# KiCad board RUSP_Mainboard_panelMockup.kicad_pcb (continued)
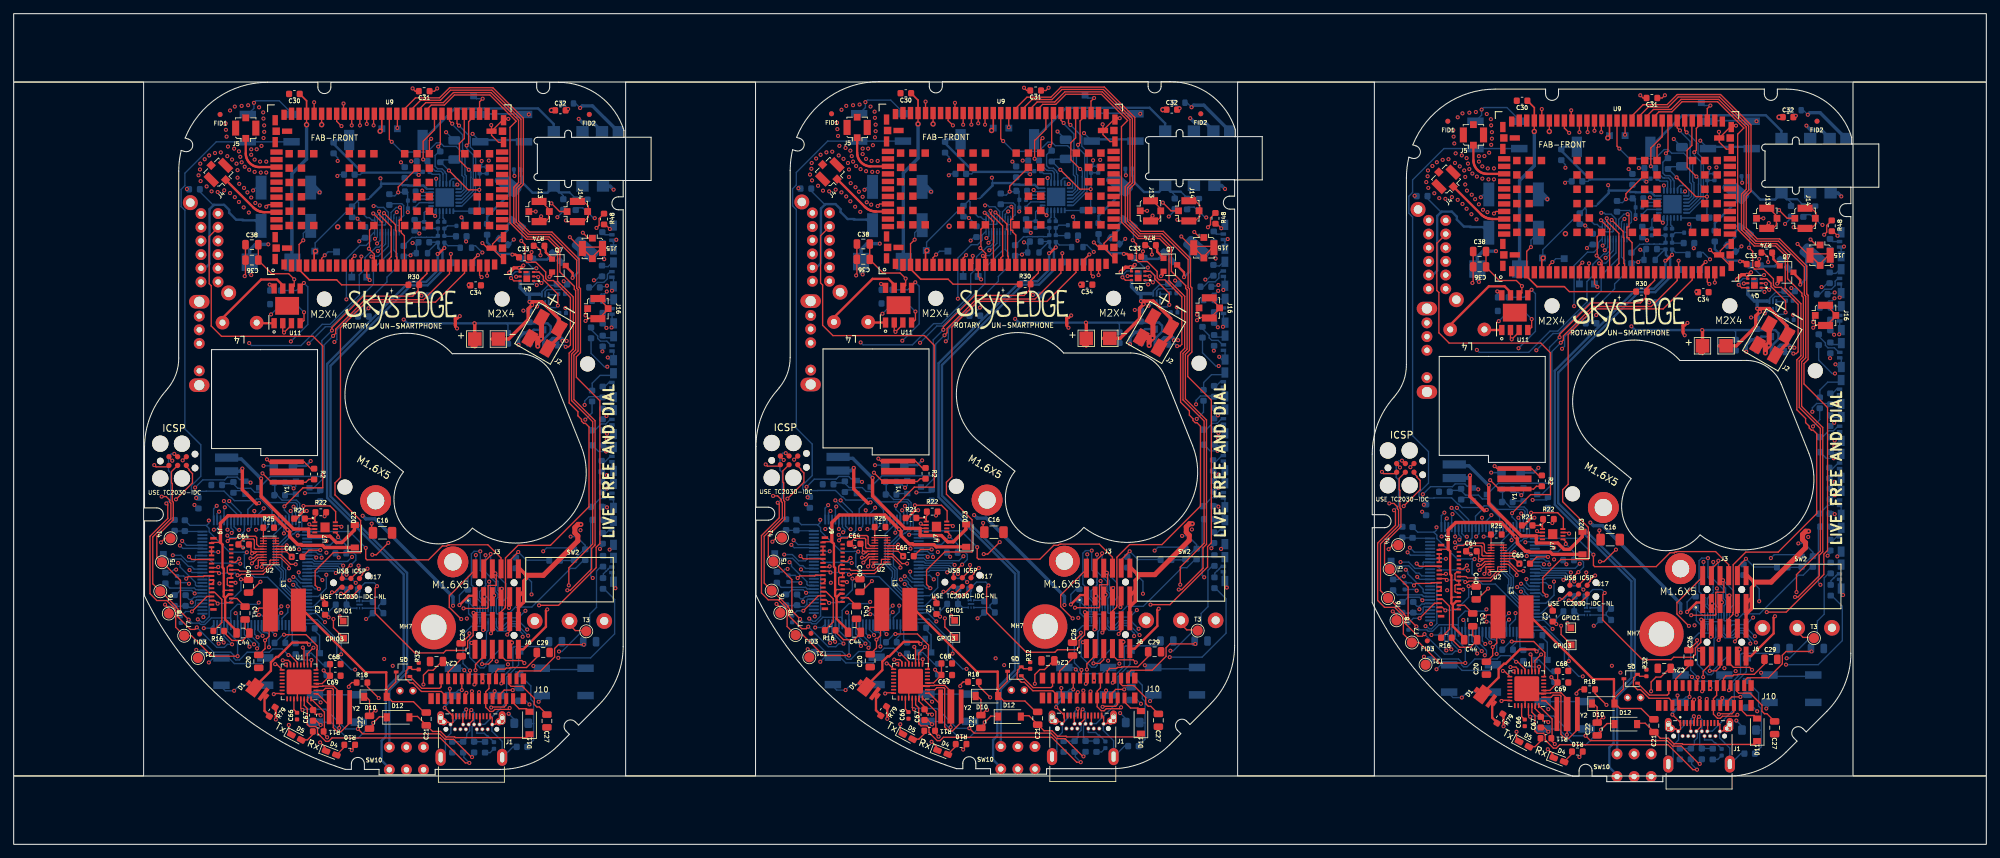
[diagram p0: board, top side]
## Routing (per net, layer and track width the routed paths; a pad name or vN(x,y) marks a point on that pad's centre or on a via; arc(x,y) is an arc through that point) (continued)
  L6_GND.Cu w0.35: v1(81.74,82.86) 82.61,83.73 82.61,87.5 ; v1(171.16,82.96) 172.03,83.83 172.03,87.6 ; 262.16,86.5 262.16,82.73 v1(261.29,81.87)
Net-(D6-Pad2): length 19.8
  L6_GND.Cu w0.35: 162.47,95.75 158.66,91.94 158.66,90.74 ; 252.6,94.66 248.79,90.85 248.79,89.65 ; 69.24,90.64 69.24,91.84 73.05,95.65
Net-(D22-Pad2): length 10.2
  L6_GND.Cu w0.35: R44#2.1 255.65,84.54 257.56,84.54 257.69,84.67 257.71,84.67 258.49,85.45 ; R44#3.1 165.52,85.64 167.44,85.64 167.56,85.76 167.58,85.76 168.36,86.54 ; R44.1 76.1,85.54 78.02,85.54 78.14,85.66 78.16,85.66 78.94,86.44
Net-(D23-Pad2): length 84.1
  L1_GND+GNDA.Cu w0.2: U7#2.3 132.56,46.21 ; U7#3.3 222.69,45.12 ; U7.3 43.14,46.11
  L1_GND+GNDA.Cu w0.5: 139.26,46.71 139.26,46.08 137.43,44.24 136.61,44.24 135.69,45.16 132.56,45.16 132.56,46.21 130.36,46.21 125.61,50.96 v1(125.61,53.61) ; v1(215.74,52.52) 215.74,49.87 220.49,45.12 222.69,45.12 222.69,44.07 225.81,44.07 226.73,43.15 227.56,43.15 229.39,44.98 229.39,45.62 ; v1(36.19,53.51) 36.19,50.86 40.94,46.11 43.14,46.11 43.14,45.06 46.26,45.06 47.18,44.14 48.01,44.14 49.84,45.97 49.84,46.61
  L6_GND.Cu w0.5: v1(125.61,53.61) 125.56,53.61 122.71,56.46 120.76,56.46 ; 31.34,56.36 33.29,56.36 36.14,53.51 v1(36.19,53.51) ; 210.89,55.37 212.84,55.37 215.69,52.52 v1(215.74,52.52)
Net-(D25-Pad1): length 4.8
  L6_GND.Cu w0.2: 175.66,55.9 175.74,55.9 176.7,56.86 176.86,56.86 ; 86.24,55.8 86.31,55.8 87.28,56.76 87.44,56.76 ; 265.79,54.8 265.86,54.8 266.83,55.77 266.99,55.77
Net-(D25-Pad3): length 4.5
  L6_GND.Cu w0.2: 177.11,58.26 177.03,58.35 175.66,58.35 ; 267.24,57.17 267.15,57.25 265.79,57.25 ; 87.69,58.16 87.6,58.25 86.24,58.25
Net-(D26-Pad1): length 4.3
  L6_GND.Cu w0.2: 87.44,89.16 86.49,89.16 86.14,89.51 ; 266.99,88.17 266.04,88.17 265.69,88.52 ; 175.56,89.61 175.91,89.26 176.86,89.26
Net-(D26-Pad3): length 5.9
  L1_GND+GNDA.Cu w0.2: v1(176.61,90.11) 175.95,90.77 R48#2.1 ; v1(87.19,90.01) 86.53,90.67 R48.1 ; R48#3.1 266.08,89.68 v1(266.74,89.02)
  L6_GND.Cu w0.2: 87.74,90.61 87.19,90.06 v1(87.19,90.01) ; v1(176.61,90.11) 176.61,90.16 177.16,90.71 ; 267.29,89.62 266.74,89.07 v1(266.74,89.02)
Net-(D27-Pad1): length 6.7
  L6_GND.Cu w0.2: 176.91,40.76 176.76,40.76 176.34,40.34 176.34,40.31 176.06,40.04 176.04,40.04 175.66,39.66 175.66,39.16 ; 265.79,38.07 265.79,38.57 266.16,38.94 266.19,38.94 266.46,39.22 266.46,39.24 266.89,39.67 267.04,39.67 ; 86.24,39.06 86.24,39.56 86.61,39.94 86.64,39.94 86.92,40.21 86.92,40.24 87.34,40.66 87.49,40.66
Net-(D27-Pad3): length 4.6
  L6_GND.Cu w0.2: 87.69,41.96 87.62,41.9 86.19,41.9 ; 177.11,42.06 177.05,42 175.61,42 ; 267.24,40.97 267.17,40.9 265.74,40.9
Net-(D28-Pad1): length 4.9
  L6_GND.Cu w0.2: 267.09,44.97 266.6,44.97 265.79,44.15 ; 87.54,45.96 87.06,45.96 86.24,45.15 ; 176.96,46.06 176.48,46.06 175.66,45.25
Net-(D28-Pad3): length 4.4
  L6_GND.Cu w0.2: 267.24,46.37 267.17,46.3 265.79,46.3 ; 86.24,47.3 87.62,47.3 87.69,47.36 ; 177.11,47.46 177.05,47.4 175.66,47.4
Net-(D29-Pad1): length 11.5
  L6_GND.Cu w0.2: 87.54,51.41 87.31,51.41 86.5,50.6 85.78,50.6 84.54,49.36 ; 267.09,50.42 266.86,50.42 266.05,49.6 265.32,49.6 264.09,48.37 ; 176.96,51.51 176.74,51.51 175.92,50.7 175.2,50.7 173.96,49.46
Net-(D29-Pad3): length 4.9
  L6_GND.Cu w0.2: 265.79,51.7 267.42,51.7 ; 175.66,52.8 177.3,52.8 ; 86.24,52.7 87.88,52.7
Net-(D30-Pad1): length 13.8
  L6_GND.Cu w0.2: 176.91,83.91 176.71,83.91 176.26,83.46 176.26,82.83 175.72,82.29 174.74,82.29 174.01,81.56 173.66,81.56 ; 263.79,80.47 264.14,80.47 264.86,81.19 265.85,81.19 266.39,81.73 266.39,82.37 266.84,82.82 267.04,82.82 ; 87.49,83.81 87.29,83.81 86.84,83.36 86.84,82.73 86.3,82.19 85.31,82.19 84.59,81.46 84.24,81.46
Net-(D30-Pad3): length 5.5
  L6_GND.Cu w0.2: 175.6,84.6 176.35,84.6 177.11,85.36 ; 267.24,84.27 266.48,83.51 265.73,83.51 ; 86.18,84.5 86.93,84.5 87.69,85.26
Net-(D31-Pad1): length 5.2
  L6_GND.Cu w0.2: 175.56,77.55 175.61,77.55 176.52,78.46 176.91,78.46 ; 87.49,78.36 87.1,78.36 86.19,77.45 86.14,77.45 ; 267.04,77.37 266.65,77.37 265.73,76.45 265.69,76.45
Net-(D31-Pad3): length 5
  L6_GND.Cu w0.2: 175.56,79.75 177,79.75 177.16,79.91 ; 86.14,79.65 87.57,79.65 87.74,79.81 ; 267.29,78.82 267.12,78.65 265.69,78.65
Net-(D32-Pad1): length 12.8
  L6_GND.Cu w0.2: 173.91,75.36 174.84,74.44 174.84,74.09 175.21,73.71 176.16,73.71 176.81,73.06 ; 87.39,72.96 86.74,73.61 85.79,73.61 85.41,73.99 85.41,74.34 84.49,75.26 ; 264.04,74.27 264.96,73.34 264.96,72.99 265.34,72.62 266.29,72.62 266.94,71.97 ; 176.71,73.06 176.93,73.06 ; 87.29,72.96 D32.1 ; 266.84,71.97 267.06,71.97
Net-(D32-Pad3): length 6.4
  L6_GND.Cu w0.2: 265.69,73.1 266.89,73.1 267.24,73.45 ; 87.32,74.1 87.64,74.41 ; 177.11,74.54 176.77,74.2 175.56,74.2 ; 176.75,74.2 177.06,74.51 ; 86.14,74.1 87.34,74.1 87.69,74.44 ; 266.87,73.1 267.19,73.42
Net-(D33-Pad1): length 5.2
  L6_GND.Cu w0.2: 176.91,67.69 176.51,67.69 175.56,66.75 ; 86.14,66.65 87.09,67.59 87.49,67.59 ; 265.69,65.65 266.63,66.6 267.04,66.6
Net-(D33-Pad3): length 13.2
  L6_GND.Cu w0.2: 84.61,66.14 84.61,67.45 85.76,68.6 87.22,68.6 ; 264.16,65.15 264.16,66.46 265.31,67.6 266.77,67.6 ; 176.65,68.7 175.18,68.7 174.03,67.55 174.03,66.24
Net-(D34-Pad1): length 10.1
  L6_GND.Cu w0.2: 84.64,60.66 85.09,60.66 85.91,61.49 86.59,61.49 87.27,62.16 87.39,62.16 ; 266.94,61.17 266.81,61.17 266.14,60.49 265.46,60.49 264.64,59.67 264.19,59.67 ; 174.06,60.76 174.51,60.76 175.34,61.59 176.01,61.59 176.69,62.26 176.81,62.26
Net-(D34-Pad3): length 4.6
  L6_GND.Cu w0.2: 86.14,63.45 87.68,63.45 ; 175.56,63.55 177.1,63.55 ; 265.69,62.45 267.22,62.45
Net-(J1-PadA5): length 6.1
  L1_GND+GNDA.Cu w0.2: v1(155.6,19.83) 155.66,19.77 155.66,18.86 ; v1(245.73,18.74) 245.79,18.68 245.79,17.77 ; 66.24,18.76 66.24,19.67 v1(66.18,19.73)
  L6_GND.Cu w0.2: R5#2.1 245.32,18.33 v1(245.73,18.74) ; R5#3.1 155.2,19.43 v1(155.6,19.83) ; R5.1 65.78,19.33 v1(66.18,19.73)
Net-(J1-PadB5): length 10.9
  L6_GND.Cu w0.2: 247.29,15.86 247.29,15.27 248.35,15.27 248.75,14.87 248.89,14.87 249.79,13.97 ; 70.24,14.96 69.34,15.86 69.21,15.86 68.81,16.26 67.74,16.26 67.74,16.86 ; 159.66,15.06 158.76,15.96 158.63,15.96 158.23,16.36 157.16,16.36 157.16,16.96
Net-(J8-Pad4): length 362
  L5_3v8.Cu w0.5: v1(267.29,94.77) 266.79,94.27 251.56,94.27 247.06,89.77 247.06,86.07 241.21,80.22 238.84,80.22 227.29,68.67 227.29,53.45 225.86,52.02 225.86,48.99 232.7,42.15 232.7,41.01 236.79,36.92 236.79,32.57 236.59,32.37 ; 236.99,9.97 238.19,11.17 238.19,19.77 239.19,20.77 239.19,21.62 237.18,23.63 237.18,27.96 236.63,28.52 236.63,32.43 ; v1(87.74,95.76) 87.24,95.26 72.01,95.26 67.52,90.77 67.52,87.06 61.66,81.21 59.29,81.21 47.74,69.66 47.74,54.44 46.31,53.01 46.31,49.98 53.15,43.14 53.15,42 57.24,37.91 57.24,33.56 57.04,33.36 ; v1(177.16,95.86) 176.66,95.36 161.43,95.36 156.94,90.87 156.94,87.16 151.09,81.31 148.71,81.31 137.16,69.76 137.16,54.54 135.73,53.11 135.73,50.08 142.57,43.24 142.57,42.1 146.66,38.01 146.66,33.66 146.46,33.46 ; 57.44,10.96 58.64,12.16 58.64,20.76 59.64,21.76 59.64,22.62 57.63,24.62 57.63,28.96 57.08,29.51 57.08,33.42 ; 146.5,33.52 146.5,29.61 147.06,29.06 147.06,24.72 149.06,22.72 149.06,21.86 148.06,20.86 148.06,12.26 146.86,11.06
  L6_GND.Cu w0.5: v1(267.29,94.77) 266.79,95.27 J8#3.4 ; v1(87.74,95.76) 87.24,96.26 J8.4 ; v1(177.16,95.86) 176.66,96.36 J8#2.4
Net-(J8-Pad10): length 70.5
  L6_GND.Cu w0.35: 239.19,101.77 244.06,106.64 256.25,106.64 258.53,104.36 258.53,103.16 ; 168.4,104.25 168.4,105.46 166.12,107.74 153.94,107.74 149.06,102.86 ; 59.64,102.76 64.52,107.64 76.7,107.64 78.98,105.36 78.98,104.15
Net-(J8-Pad12): length 340.8
  L5_3v8.Cu w0.5: 237.94,21.47 236.53,22.87 236.53,27.61 235.94,28.21 235.94,36.62 231.89,40.67 231.69,40.67 229.79,42.57 229.79,44.14 225.21,48.72 225.21,52.29 226.59,53.67 226.59,69.05 238.41,80.87 240.94,80.87 246.41,86.34 246.41,90.04 249.94,93.57 249.94,99 255.11,104.17 261.24,104.17 v1(262.19,105.12) ; MK1.2 56.98,23.87 56.98,28.61 56.39,29.2 56.39,37.62 52.35,41.66 52.14,41.66 50.24,43.56 50.24,45.14 45.66,49.71 45.66,53.28 47.04,54.66 47.04,70.04 58.86,81.86 61.4,81.86 66.87,87.33 66.87,91.04 70.39,94.56 70.39,99.99 75.56,105.16 81.69,105.16 v1(82.64,106.11) ; v1(172.06,106.21) 171.11,105.26 164.98,105.26 159.81,100.09 159.81,94.66 156.29,91.14 156.29,87.43 150.82,81.96 148.28,81.96 136.46,70.14 136.46,54.76 135.08,53.38 135.08,49.81 139.66,45.24 139.66,43.67 141.56,41.76 141.77,41.76 145.81,37.72 145.81,29.3 146.41,28.71 146.41,23.97 MK1#3.2
  L6_GND.Cu w0.5: v1(262.19,105.12) 262.84,104.47 264.39,104.47 J8#3.12 ; v1(172.06,106.21) 172.71,105.56 174.26,105.56 J8#2.12 ; J8.12 84.84,105.46 83.29,105.46 v1(82.64,106.11)
Net-(L4-Pad1): length 7.7
  L1_GND+GNDA.Cu w0.35: L4#2.1 35.62,76.22 U11.1 ; L4#3.1 125.04,76.32 U11#3.1 ; L4.1 215.17,75.23 217.63,75.23
Net-(L4-Pad2): length 38.3
  L1_GND+GNDA.Cu w0.35: 39.44,81.21 39.44,81.68 38.51,82.61 36.19,82.61 30.54,76.96 L4#2.2 ; 218.99,80.22 218.99,80.69 218.06,81.62 215.74,81.62 210.09,75.97 L4.2 ; 128.86,81.31 128.86,81.78 127.93,82.71 125.61,82.71 119.96,77.06 L4#3.2
Net-(L7-Pad2): length 41.3
  L2_3v3+GNDA.Cu w0.35: v1(252.79,96.77) 252.19,96.17 241.54,96.17 v1(241.34,96.37) ; v1(162.66,97.86) 162.06,97.26 151.41,97.26 v1(151.21,97.46) ; v1(61.79,97.36) 61.99,97.16 72.64,97.16 v1(73.24,97.76)
  L6_GND.Cu w0.2: U12.7 v1(61.79,97.36) ; U12#3.7 v1(151.21,97.46) ; v1(241.34,96.37) 241.34,96.37 U12#2.7
  L6_GND.Cu w0.35: 162.61,98.76 162.61,97.91 v1(162.66,97.86) ; 252.74,97.67 252.74,96.82 v1(252.79,96.77) ; v1(73.24,97.76) 73.19,97.81 73.19,98.66
Net-(L8-Pad2): length 9.8
  L6_GND.Cu w0.2: U12.8 62.29,97.05 62.34,97.1 62.34,97.91 62.24,98.01 61.22,98.01 60.89,98.34 ; 150.31,98.44 150.64,98.11 151.66,98.11 151.76,98.01 151.76,97.2 151.71,97.15 U12#3.8 ; 240.44,97.34 240.76,97.02 241.79,97.02 241.89,96.92 241.89,96.1 241.84,96.05 U12#2.8
Net-(Q1-Pad1): length 5.3
  L6_GND.Cu w0.2: Q1#2.1 128.91,51.31 ; Q1#3.1 219.04,50.22 ; Q1.1 39.49,51.21
Net-(Q1-Pad3): length 147.6
  L1_GND+GNDA.Cu w0.2: v1(63.94,86.36) 63.94,84.86 ; v1(46.71,74.36) 47.09,74.74 47.09,75.36 51.39,79.66 59.94,79.66 63.74,83.46 63.74,84.76 ; 243.29,83.77 243.29,82.47 239.49,78.67 230.94,78.67 226.64,74.36 226.64,73.74 v1(226.26,73.37) ; 153.16,84.86 153.16,83.56 149.36,79.76 140.82,79.76 136.51,75.46 136.51,74.84 v1(136.14,74.46) ; v1(243.49,85.37) 243.49,83.87 ; v1(153.36,86.46) 153.36,84.96
  L6_GND.Cu w0.2: T15.1 v1(63.94,86.36) ; v1(46.71,74.36) 45.41,73.06 45.41,53.67 43.83,52.09 43.37,52.09 ; T15#2.1 v1(243.49,85.37) ; v1(226.26,73.37) 224.96,72.07 224.96,52.67 223.38,51.09 222.91,51.09 ; T15#3.1 v1(153.36,86.46) ; v1(136.14,74.46) 134.84,73.16 134.84,53.77 133.26,52.19 132.79,52.19
Net-(Q2-Pad1): length 5.8
  L6_GND.Cu w0.2: 121.56,51.83 122.85,51.83 123.31,51.36 ; 32.14,51.73 33.43,51.73 33.89,51.26 ; 213.44,50.27 212.97,50.73 211.69,50.73
Net-(Q2-Pad3): length 163.7
  L1_GND+GNDA.Cu w0.2: 148.46,80.96 147.79,80.29 140.56,80.29 135.96,75.69 v1(135.96,75.26) ; 148.46,80.96 v1(149.06,80.36) ; 148.46,80.96 148.56,81.06 148.56,82.28 149.86,83.58 U9#3.20 ; v1(46.54,75.16) 46.54,75.59 51.14,80.19 58.36,80.19 59.04,80.86 ; 238.59,79.87 238.69,79.97 238.69,81.19 239.99,82.49 U9#2.20 ; 238.59,79.87 v1(239.19,79.27) ; 238.59,79.87 237.91,79.19 230.69,79.19 226.09,74.59 v1(226.09,74.17) ; 59.04,80.86 v1(59.64,80.26) ; 59.04,80.86 59.14,80.96 59.14,82.18 60.44,83.48 U9.20
  L1_GND+GNDA.Cu w0.25: 148.81,81.96 148.81,82.53 149.27,82.99 ; 238.94,80.87 238.94,81.44 239.39,81.89 ; 59.39,81.86 59.39,82.43 59.85,82.89
  L6_GND.Cu w0.2: T14#2.1 239.21,79.24 v1(239.19,79.27) ; v1(59.64,80.26) 59.66,80.24 T14.1 ; v1(135.96,75.26) 134.49,73.79 134.49,53.91 126.99,53.91 125.29,52.21 ; T14#3.1 149.09,80.34 v1(149.06,80.36) ; v1(226.09,74.17) 224.61,72.69 224.61,52.82 217.11,52.82 215.41,51.12 ; 35.87,52.11 37.56,53.81 45.06,53.81 45.06,73.69 v1(46.54,75.16)
Net-(Q3-Pad1): length 12.3
  L1_GND+GNDA.Cu w0.2: 76.04,82.46 76.1,82.4 76.88,82.4 v1(77.18,82.1) ; v1(166.61,82.21) 166.31,82.51 165.52,82.51 165.46,82.56 ; v1(256.73,81.11) 256.43,81.41 255.65,81.41 255.59,81.47
  L6_GND.Cu w0.2: Q3.1 76.8,83.71 77.48,83.03 77.48,82.4 v1(77.18,82.1) ; v1(166.61,82.21) 166.91,82.51 166.91,83.13 166.23,83.81 Q3#3.1 ; Q3#2.1 256.35,82.72 257.03,82.04 257.03,81.41 v1(256.73,81.11)
Net-(Q3-Pad2): length 4.4
  L1_GND+GNDA.Cu w0.2: v1(256.26,81.99) 256.18,82.07 Q4#2.2 ; v1(76.71,82.98) 76.63,83.06 Q4.2 ; Q4#3.2 166.05,83.16 v1(166.13,83.08)
  L6_GND.Cu w0.2: v1(166.13,83.08) 166.05,83.16 Q4#3.2 ; Q4#2.2 256.18,82.07 v1(256.26,81.99) ; v1(76.71,82.98) 76.63,83.06 Q4.2
Net-(Q3-Pad3): length 14.8
  L2_3v3+GNDA.Cu w0.2: v1(76.5,81.79) 76.54,81.75 v1(76.54,78.66) ; v1(165.93,81.89) 165.96,81.86 v1(165.96,78.76) ; v1(256.09,77.67) 256.09,80.76 v1(256.05,80.8)
  L6_GND.Cu w0.2: Q3#2.3 255.56,81.29 v1(256.05,80.8) ; 166.27,78.97 166.66,79.36 ; 166.27,78.97 166.06,78.76 v1(165.96,78.76) ; 166.27,78.97 166.27,78.95 ; v1(76.54,78.66) 76.64,78.66 76.85,78.87 ; 76.85,78.87 77.24,79.26 ; 76.85,78.87 76.85,78.85 ; Q3.3 76.01,82.28 v1(76.5,81.79) ; 256.4,77.88 256.79,78.27 ; 256.4,77.88 256.19,77.67 v1(256.09,77.67) ; 256.4,77.88 256.4,77.85 ; Q3#3.3 165.44,82.38 v1(165.93,81.89)
Net-(Q3-Pad5): length 3.5
  L1_GND+GNDA.Cu w0.2: 74.04,83.06 73.52,83.06 v1(73.48,83.02) ; 163.46,83.16 162.94,83.16 v1(162.9,83.12) ; 253.59,82.07 253.07,82.07 v1(253.03,82.03)
  L6_GND.Cu w0.2: 163.49,83.16 162.94,83.16 v1(162.9,83.12) ; Q4#2.5 253.07,82.07 v1(253.03,82.03) ; v1(73.48,83.02) 73.52,83.06 Q4.5
Net-(Q3-Pad6): length 9.9
  L1_GND+GNDA.Cu w0.2: v1(162.16,82.93) 162.58,82.51 163.49,82.51 ; Q4.6 73.16,82.41 v1(72.74,82.83) ; v1(252.29,81.84) 252.71,81.42 Q4#2.6
  L6_GND.Cu w0.2: 163.41,83.86 162.8,83.86 162.33,83.4 162.33,83.11 v1(162.16,82.93) ; v1(72.74,82.83) 72.91,83.01 72.91,83.3 73.38,83.76 73.99,83.76 ; v1(252.29,81.84) 252.46,82.01 252.46,82.3 252.92,82.77 253.54,82.77
Net-(Q4-Pad3): length 28.5
  L1_GND+GNDA.Cu w0.2: v1(79.59,78.81) 79.59,80.48 77.46,82.6 77.46,83.07 76.82,83.71 Q4.3 ; Q4#2.3 256.37,82.72 257.01,82.08 257.01,81.61 259.14,79.48 v1(259.14,77.82) ; Q4#3.3 166.25,83.81 166.89,83.17 166.89,82.7 169.01,80.58 v1(169.01,78.91)
  L6_GND.Cu w0.2: 77.74,79.36 77.74,78.81 78.04,78.51 79.29,78.51 v1(79.59,78.81) ; 167.16,79.46 167.16,78.91 167.46,78.61 168.71,78.61 v1(169.01,78.91) ; v1(259.14,77.82) 258.84,77.52 257.59,77.52 257.29,77.82 257.29,78.37
Net-(Q6-Pad1): length 12.1
  L6_GND.Cu w0.2: 44.74,27.96 44.74,30.55 44.01,31.27 44.01,31.69 ; 224.29,26.97 224.29,29.55 223.56,30.28 223.56,30.69 ; 134.16,28.06 134.16,30.65 133.44,31.37 133.44,31.79
Net-(Q7-Pad1): length 7.1
  L1_GND+GNDA.Cu w0.35: 166.76,87.54 167.24,87.06 167.24,86.68 168.16,85.76 ; 256.89,86.45 257.37,85.97 257.37,85.59 258.29,84.67 ; 77.34,87.44 77.82,86.96 77.82,86.58 78.74,85.66
Net-(R2-Pad1): length 92.6
  L1_GND+GNDA.Cu w0.2: R2#3.1 223.01,53.95 222,54.97 220.39,54.97 ; v1(216.59,55.32) 216.94,54.97 219.54,54.97 ; R2.1 43.47,54.95 42.45,55.96 40.84,55.96 ; 129.41,56.06 126.81,56.06 v1(126.46,56.41) ; 130.26,56.06 131.87,56.06 132.89,55.05 R2#2.1 ; v1(37.04,56.31) 37.39,55.96 39.99,55.96
  L2_3v3+GNDA.Cu w0.2: v1(113.18,40.28) 113.26,40.28 114.01,41.03 114.01,42.21 124.26,52.46 125.24,52.46 126.76,53.98 126.76,56.11 v1(126.46,56.41) ; v1(37.04,56.31) 37.34,56.01 37.34,53.88 35.82,52.36 34.84,52.36 24.59,42.11 24.59,40.93 23.84,40.18 v1(23.76,40.18) ; v1(203.31,39.19) 203.39,39.19 204.14,39.94 204.14,41.12 214.39,51.37 215.37,51.37 216.89,52.89 216.89,55.02 v1(216.59,55.32)
  L6_GND.Cu w0.2: v1(113.18,40.28) 113.16,40.26 112.81,40.26 112.4,39.85 R3#2.1 ; R3#3.1 202.53,38.75 202.94,39.17 203.29,39.17 v1(203.31,39.19) ; v1(23.76,40.18) 23.74,40.16 23.39,40.16 22.98,39.75 R3.1
Net-(R2-Pad2): length 101
  L1_GND+GNDA.Cu w0.2: 129.46,53.06 132.16,53.06 132.57,53.47 R2#2.2 ; R2.2 43.15,53.37 42.74,52.96 40.04,52.96 ; 219.59,51.97 222.29,51.97 222.7,52.38 R2#3.2 ; Y1#2.1 217.24,51.97 v1(215.94,53.27) ; v1(36.39,54.26) 37.69,52.96 Y1.1 ; Y1#3.1 127.11,53.06 v1(125.81,54.36)
  L2_3v3+GNDA.Cu w0.2: v1(203.59,40.17) 203.59,41.17 208.24,45.82 208.32,45.82 208.69,46.19 208.69,49.23 212.73,53.27 v1(215.94,53.27) ; v1(125.81,54.36) 122.6,54.36 118.56,50.32 118.56,47.28 118.19,46.91 118.11,46.91 113.46,42.26 v1(113.46,41.26) ; v1(24.04,41.16) 24.04,42.16 28.69,46.81 28.77,46.81 29.14,47.18 29.14,50.22 33.18,54.26 v1(36.39,54.26)
  L6_GND.Cu w0.2: 117.01,37.86 116.73,37.86 116.72,37.87 116.15,37.87 116.01,38.01 116.01,38.41 113.76,40.66 113.76,40.96 v1(113.46,41.26) ; 27.59,37.76 27.31,37.76 27.3,37.77 26.73,37.77 26.59,37.91 26.59,38.31 24.34,40.56 24.34,40.86 v1(24.04,41.16) ; 207.14,36.77 206.86,36.77 206.85,36.78 206.28,36.78 206.14,36.92 206.14,37.32 203.89,39.57 203.89,39.87 v1(203.59,40.17)
Net-(R3-Pad2): length 15.9
  L6_GND.Cu w0.2: 22.14,38.16 22.81,37.49 26.4,37.49 26.64,37.25 27.07,37.25 ; 201.69,37.17 202.36,36.49 205.95,36.49 206.19,36.26 206.62,36.26 ; 111.56,38.26 112.24,37.59 115.83,37.59 116.06,37.35 116.49,37.35
Net-(R6-Pad1): length 91.6
  L1_GND+GNDA.Cu w0.2: v1(67.04,12.76) 66.99,12.81 66.89,12.81 64.34,15.36 63.09,15.36 62.29,16.16 51.05,16.16 v1(50.34,16.87) ; v1(246.59,11.77) 246.54,11.82 246.44,11.82 243.89,14.37 242.64,14.37 241.84,15.17 230.6,15.17 v1(229.89,15.88) ; v1(42.24,19.66) 41.99,19.91 U1.29 ; v1(156.46,12.86) 156.41,12.91 156.31,12.91 153.76,15.46 152.51,15.46 151.71,16.26 140.48,16.26 v1(139.76,16.98) ; v1(131.66,19.76) 131.41,20.01 U1#3.29 ; v1(221.79,18.67) 221.54,18.92 U1#2.29
  L6_GND.Cu w0.2: v1(139.76,16.98) 137.95,16.98 135.07,19.86 131.76,19.86 v1(131.66,19.76) ; 156.66,13.84 156.66,13.06 v1(156.46,12.86) ; v1(42.24,19.66) 42.34,19.76 45.65,19.76 48.53,16.87 v1(50.34,16.87) ; v1(229.89,15.88) 228.08,15.88 225.19,18.77 221.89,18.77 v1(221.79,18.67) ; v1(246.59,11.77) 246.79,11.97 246.79,12.75 ; v1(67.04,12.76) 67.24,12.96 67.24,13.74
Net-(R7-Pad1): length 97.8
  L1_GND+GNDA.Cu w0.2: U1#2.30 222.04,19.32 222.49,18.87 222.49,16.57 222.81,16.24 223.71,16.24 223.99,15.97 223.99,15.27 224.12,15.13 224.12,15.12 224.33,14.92 224.34,14.92 225.19,14.07 225.6,14.07 226.1,14.57 241.94,14.57 245.59,10.92 v1(246.19,10.92) ; v1(66.64,11.91) 66.05,11.91 62.4,15.56 46.55,15.56 46.05,15.06 45.64,15.06 44.79,15.91 44.78,15.91 44.57,16.12 44.57,16.13 44.44,16.26 44.44,16.96 44.17,17.24 43.27,17.24 42.94,17.56 42.94,19.86 42.49,20.31 U1.30 ; v1(156.06,12.01) 155.47,12.01 151.82,15.66 135.98,15.66 135.48,15.16 135.06,15.16 134.21,16.01 134.2,16.01 134,16.22 134,16.23 133.86,16.36 133.86,17.06 133.59,17.34 132.69,17.34 132.36,17.66 132.36,19.96 131.91,20.41 U1#3.30
  L6_GND.Cu w0.2: v1(156.06,12.01) 155.26,12.81 155.26,13.51 ; v1(246.19,10.92) 245.39,11.72 245.39,12.42 ; 65.84,13.41 65.84,12.71 v1(66.64,11.91)
Net-(R13-Pad2): length 4.1
  L6_GND.Cu w0.2: 79.59,80.46 79.51,80.39 U3.6 ; U3#3.6 168.94,80.49 169.01,80.56 ; 259.14,79.47 259.06,79.39 U3#2.6
Net-(R14-Pad2): length 7.9
  L6_GND.Cu w0.2: 259.39,76.77 259.04,76.42 U5#2.5 ; U5.5 79.49,77.41 79.84,77.76 ; U5#3.5 168.91,77.51 169.26,77.86
Net-(R19-Pad1): length 13.4
  L6_GND.Cu w0.2: 142.79,34.64 140.46,34.64 140.45,34.64 ; 142.79,34.64 142.79,34.99 143.36,35.56 ; 142.79,34.64 143.46,33.96 ; 51.03,34.54 51.03,34.54 53.37,34.54 ; 53.37,34.54 53.37,34.89 53.94,35.46 ; 53.37,34.54 54.04,33.86 ; 232.91,33.54 230.58,33.54 230.58,33.55 ; 232.91,33.54 232.91,33.89 233.49,34.47 ; 232.91,33.54 233.59,32.87
Net-(R20-Pad1): length 30.3
  L2_3v3+GNDA.Cu w0.2: 207.04,87.27 204.29,90.02 204.29,91.97 204.04,92.22 204.04,93.52 204.06,93.54 204.06,94.04 v1(204.89,94.87) ; 27.49,88.26 24.74,91.01 24.74,92.96 24.49,93.21 24.49,94.51 24.51,94.53 24.51,95.04 v1(25.34,95.86) ; 116.91,88.36 114.16,91.11 114.16,93.06 113.91,93.31 113.91,94.61 113.94,94.64 113.94,95.14 v1(114.76,95.96)
  L6_GND.Cu w0.2: v1(204.89,94.87) 204.93,94.82 205.5,94.82 ; v1(114.76,95.96) 114.81,95.92 115.38,95.92 ; 115.16,95.72 115.36,95.92 ; 205.29,94.62 205.49,94.82 ; 25.96,95.82 25.38,95.82 v1(25.34,95.86) ; 25.74,95.62 25.94,95.82
Net-(R21-Pad2): length 9.5
  L1_GND+GNDA.Cu w0.2: 131.71,47.74 133.21,47.74 133.46,47.49 ; 223.59,46.4 223.34,46.65 221.84,46.65 ; 223.59,46.4 U7#3.1 ; 223.59,46.4 223.59,46.87 223.99,47.27 ; 133.46,47.49 133.46,47.96 133.86,48.36 ; 133.46,47.49 U7#2.1 ; U7.1 44.04,47.39 ; 44.04,47.39 43.79,47.64 42.29,47.64 ; 44.04,47.39 44.04,47.86 44.44,48.26
Net-(R25-Pad1): length 14.8
  L1_GND+GNDA.Cu w0.18: U2#2.11 U2#2.10 U2#2.9 U2#2.8 ; U2#2.11 U2#2.12 U2#2.13 ; U2#2.11 36.52,46.29 R25.1 ; U2#3.11 U2#3.12 U2#3.13 ; U2#3.11 U2#3.10 U2#3.9 U2#3.8 ; U2#3.11 125.94,46.39 R25#2.1 ; U2.11 216.07,45.3 R25#3.1 ; U2.11 U2.12 U2.13 ; U2.11 U2.10 U2.9 U2.8
Net-(R28-Pad1): length 12.3
  L6_GND.Cu w0.18: R28#2.1 113.01,45.92 R29#3.1 114.52,45.86 117,45.86 ; 27.58,45.76 25.1,45.76 R29.1 23.59,45.82 R28.1 ; R28#3.1 203.14,44.83 R29#2.1 204.65,44.77 207.13,44.77
Net-(R33-Pad1): length 25.9
  L6_GND.Cu w0.18: 236.59,90.97 236.56,90.97 U10#3.10 U10#3.11 ; U10.12 55.99,90.54 ; 55.99,90.54 56.36,90.54 ; 55.99,90.54 55.99,91.34 ; U10#2.11 U10#2.10 146.43,92.06 146.46,92.06 ; U10#3.12 235.54,89.55 ; 235.54,89.55 U10#3.9 ; 235.54,89.55 235.91,89.55 ; 145.41,90.64 145.78,90.64 ; 145.41,90.64 U10#2.12 ; 145.41,90.64 U10#2.9 ; U10.11 56.39,91.34 57.01,91.96 57.04,91.96
  L6_GND.Cu w0.2: R33#3.1 234.68,92.72 236.3,92.72 236.59,92.43 236.59,90.97 ; R33.1 55.13,93.71 56.75,93.71 57.04,93.43 57.04,91.96 ; R33#2.1 144.55,93.81 146.18,93.81 146.46,93.53 146.46,92.06
Net-(R39-Pad2): length 7.6
  L6_GND.Cu w0.2: 64.34,92.66 64.39,92.61 66.84,92.61 ; 153.76,92.76 153.81,92.71 156.26,92.71 ; 246.39,91.62 243.94,91.62 243.89,91.67
Net-(R75-Pad1): length 30.4
  L6_GND.Cu w0.18: U8#2.13 248.14,32.92 248.13,32.91 247.74,32.91 ; 157.61,33.32 157.21,33.32 U8#3.10 ; 157.61,33.32 157.61,32.69 ; 157.61,33.32 157.94,33.32 157.95,33.31 158.01,33.31 U8#3.8 ; 68.19,33.22 67.79,33.22 U8.10 ; 68.19,33.22 68.19,32.59 ; 68.19,33.22 68.52,33.22 68.53,33.21 68.59,33.21 U8.8 ; U8#2.8 248.14,32.22 248.08,32.22 248.07,32.23 247.74,32.23 ; 247.74,32.23 247.74,31.6 ; 247.74,32.23 247.34,32.23 U8#2.10 ; 157.61,34 U8#3.12 ; 157.61,34 158,34 158.01,34.01 U8#3.13 ; 157.61,34 157.25,34 157.25,34 157.21,34 157.21,34.12 157.21,34.12 U8#3.11 ; 68.19,33.9 67.83,33.9 67.83,33.9 67.79,33.9 67.79,34.02 67.79,34.02 U8.11 ; 68.19,33.9 68.58,33.9 68.59,33.91 U8.13 ; 68.19,33.9 U8.12 ; 247.74,32.91 247.38,32.91 247.38,32.91 247.34,32.91 247.34,33.02 247.34,33.03 U8#2.11 ; 247.74,32.91 U8#2.12
  L6_GND.Cu w0.2: U8#3.10 157.04,32.74 155.95,33.83 155.95,35.43 155.93,35.45 ; 66.51,35.35 66.53,35.33 66.53,33.73 67.62,32.64 U8.10 ; 245.99,34.52 247.06,33.45 U8#2.11 ; 246.06,34.36 246.08,34.34 246.08,32.74 247.17,31.65 U8#2.10 ; 155.86,35.61 156.93,34.54 U8#3.11 ; U8.11 67.51,34.44 66.44,35.51
Net-(RSVD1-Pad1): length 11.3
  L1_GND+GNDA.Cu w0.2: v1(248.14,108.07) 247.69,107.62 247.69,105.87 ; v1(68.59,109.06) 68.14,108.61 U9.49 ; v1(158.01,109.16) 157.56,108.71 U9#3.49
  L6_GND.Cu w0.2: 156.76,109.51 157.11,109.16 v1(158.01,109.16) ; 246.89,108.42 247.24,108.07 v1(248.14,108.07) ; 67.34,109.41 67.69,109.06 v1(68.59,109.06)
Net-(T13-Pad1): length 7
  L1_GND+GNDA.Cu w0.2: v1(56.12,104.79) 56.12,107.01 ; v1(235.66,103.79) 235.66,106.02 ; v1(145.54,104.89) 145.54,107.11
  L6_GND.Cu w0.2: T13#2.1 v1(235.66,103.79) ; T13#3.1 v1(145.54,104.89) ; T13.1 v1(56.12,104.79)
Net-(U1-Pad1): length 8.4
  L1_GND+GNDA.Cu w0.2: Y2#2.1 135.56,20.43 133.93,22.06 133.71,22.06 ; 44.29,21.96 44.5,21.96 46.14,20.33 Y2.1 ; Y2#3.1 225.69,19.33 224.05,20.97 223.84,20.97
Net-(U1-Pad2): length 45.1
  L1_GND+GNDA.Cu w0.2: 228.74,20.27 228.74,16.8 227.42,15.48 226.89,15.48 226.29,16.08 226.29,21.69 226.16,21.82 225.14,21.82 224.84,21.52 U1#2.2 ; 138.61,21.36 138.61,17.9 137.29,16.58 136.76,16.58 136.16,17.18 136.16,22.78 136.03,22.91 135.01,22.91 134.71,22.61 U1#3.2 ; U1.2 45.29,22.51 45.59,22.81 46.61,22.81 46.74,22.68 46.74,17.07 47.34,16.47 47.87,16.47 49.19,17.8 49.19,21.26
unconnected-(J8-Pad11): length 0.2
  L6_GND.Cu w0.35: 262.59,103.52 262.64,103.47 ; 172.46,104.61 172.51,104.56 ; 83.04,104.51 83.09,104.46
unconnected-(U4-Pad69): length 3
  L6_GND.Cu w0.2: 38.24,46.36 38.24,47.37 ; 217.79,45.37 217.79,46.38 ; 127.66,46.46 127.66,47.47

## Text on the board
B.Silkscreen: J. HAUPT - Rev0.1 | FAB-BACK
F.Silkscreen: ROTARY   UN-SMARTPHONE | FAB-FRONT | M2X4 | M1.6X5 | LIVE FREE AND DIAL
